# Altium PCB Minion_1_SiC780A_Rev01.PcbDoc (part 3 of 6) (continued)
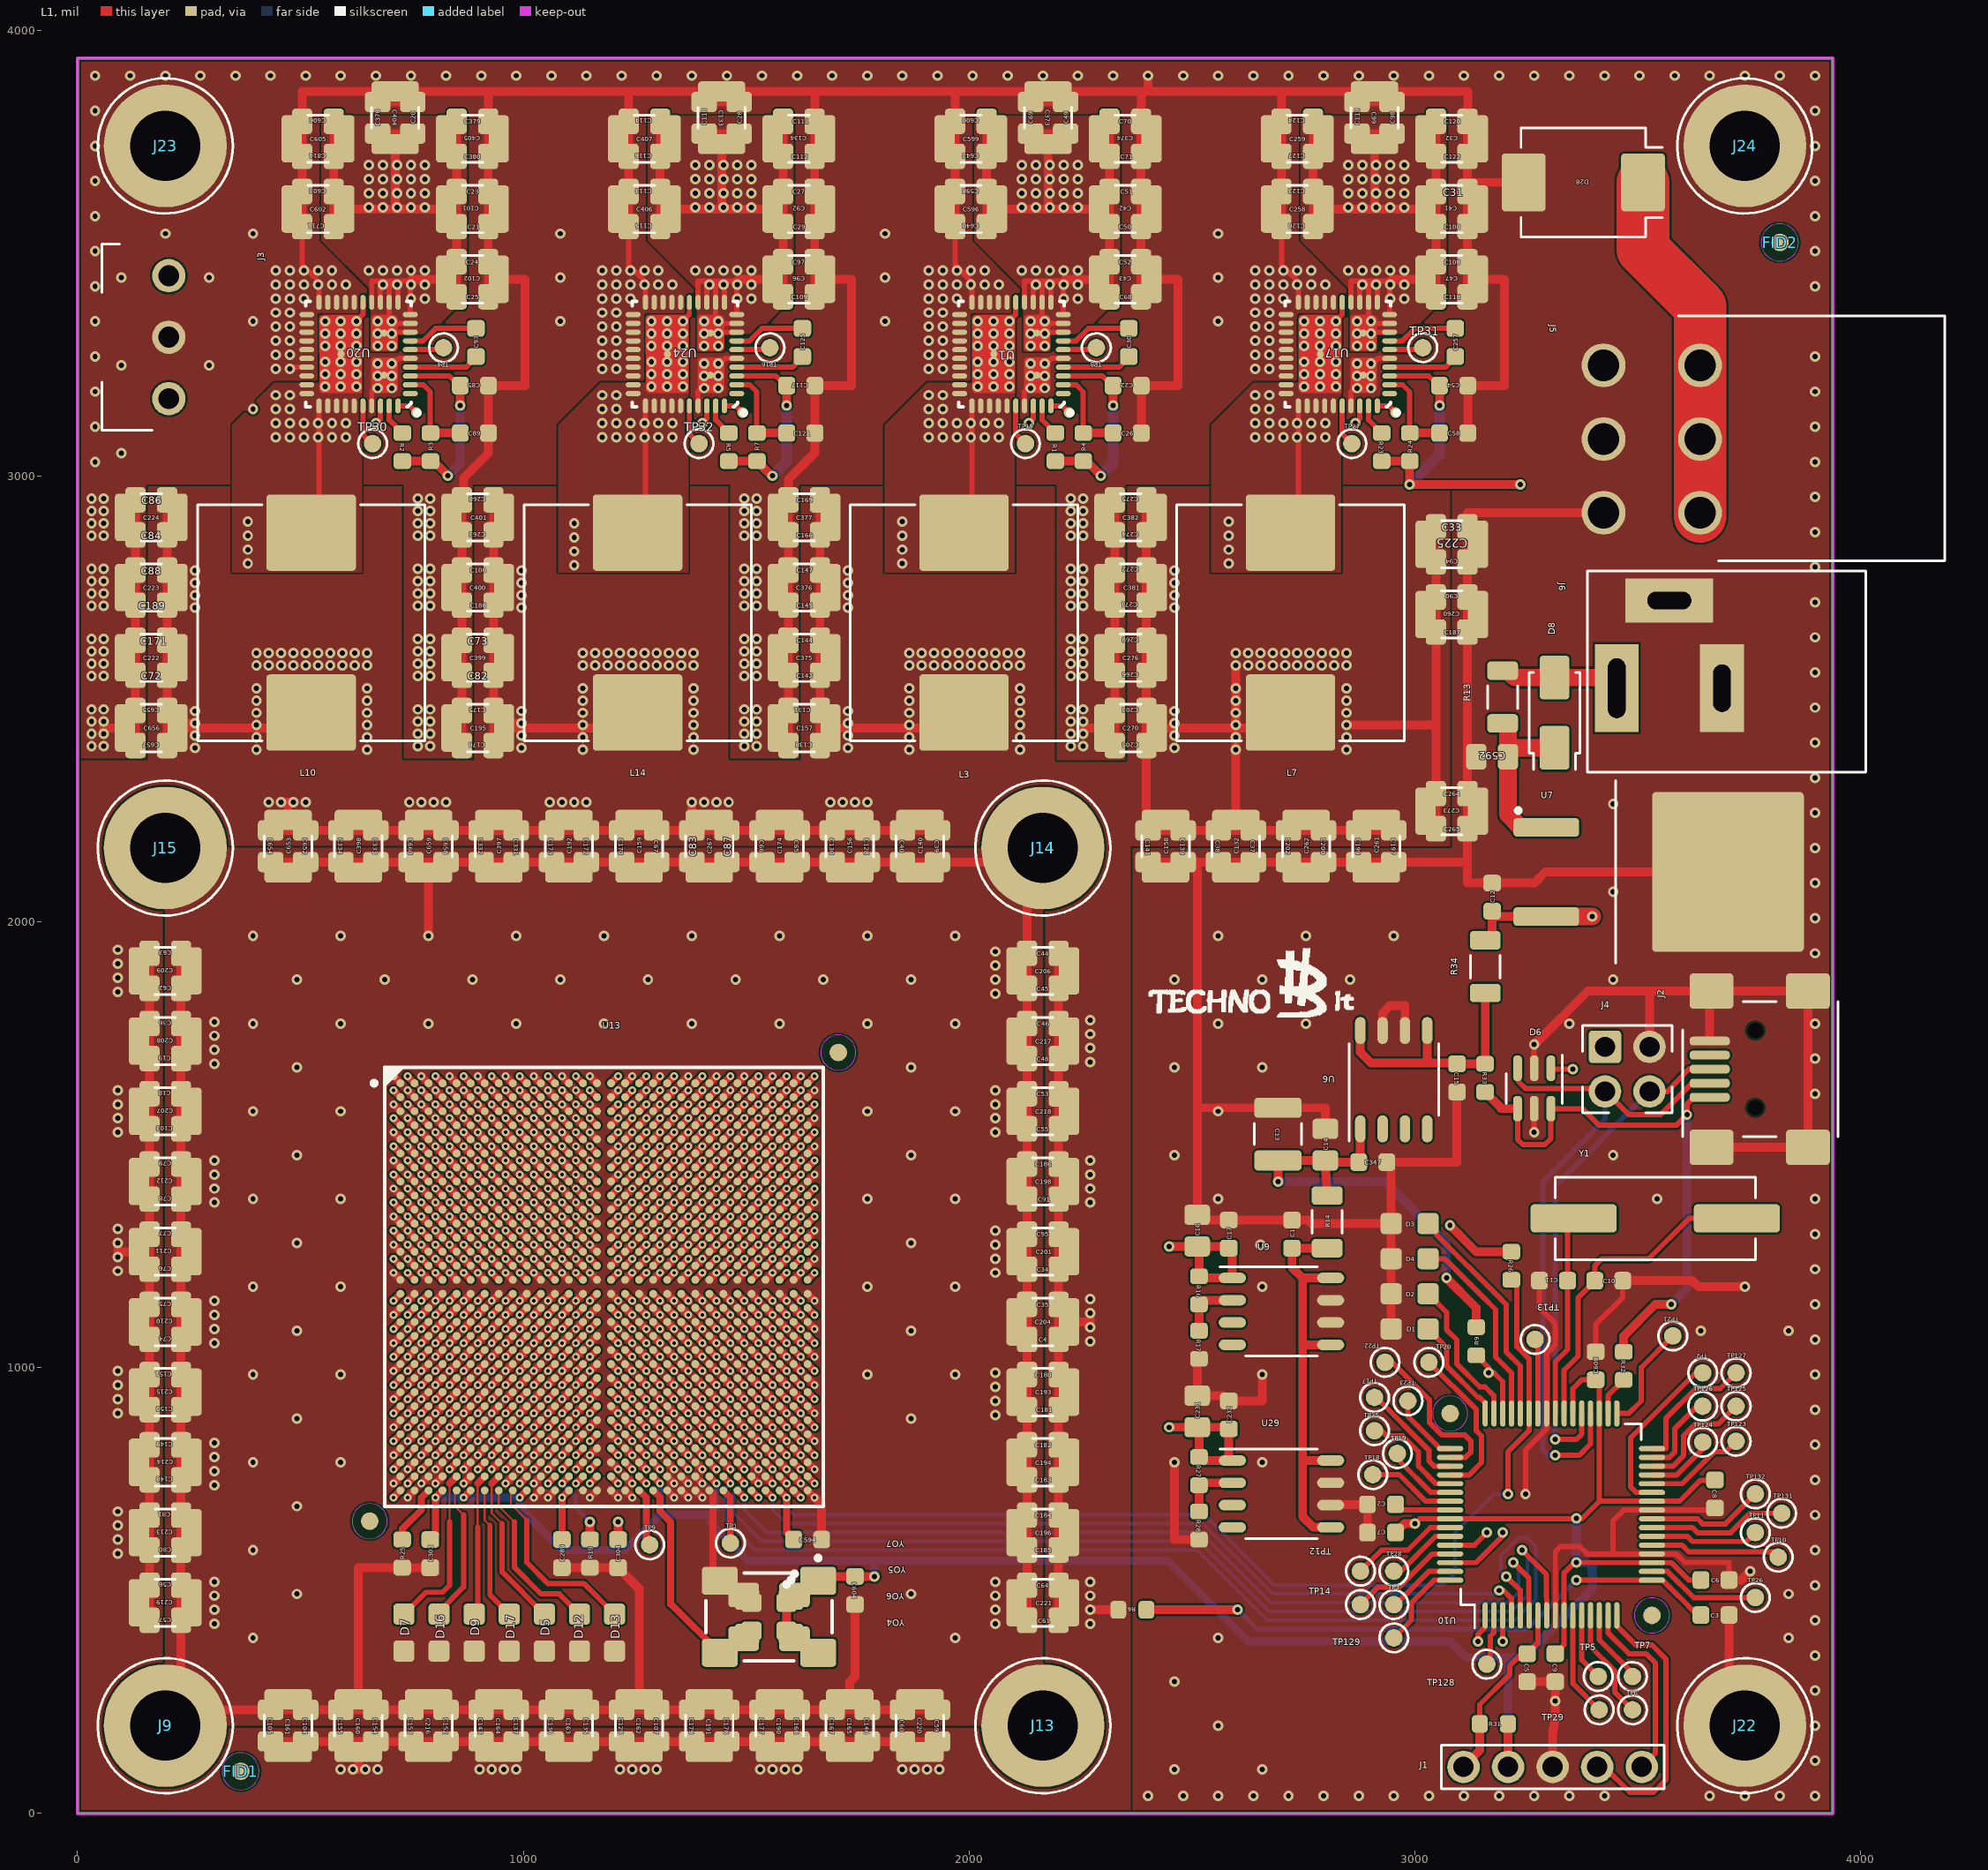
[diagram p0: L1 view]
## Nets (pads, with @x,y where several pads share a name; then routed paths per layer and width w, separated by ;. In a path a pad name is that pad's centre, name@x,y a point inside that pad or via, vN(x,y) a via of type N, cw(c..) or ccw(c..) an arc to the next point about the centre after c; other vN are vias at no path point) (continued)
  L1 w19.68: v1(90.75,1248.03) v1@90.75,1259.84 ; v1(90.75,1279.53) v1@90.75,1259.84 ; C219.2@137.8,472.44 161.42,472.44 ; C213.2@137.8,629.92 161.42,629.92 ; C214.2@137.8,787.4 161.42,787.4 ; C215.2@137.8,944.88 161.42,944.88 ; C210.2@137.8,1102.36 161.42,1102.36 ; C212.2@137.8,1417.32 161.42,1417.32 ; C207.2@137.8,1574.8 161.42,1574.8 ; C208.2@137.8,1732.28 161.42,1732.28 ; C209.2@137.8,1889.76 161.42,1889.76 ; C57.2@161.42,433.07 161.42,472.44 ; C63.2@161.42,1929.13 161.42,1889.76 ; C657.1@200.91,2395.07 200.91,2434.44 ; C86.2@200.91,2946.25 200.91,2906.88 ; C222.2@224.54,2591.92 200.91,2591.92 ; C223.2@224.54,2749.4 200.91,2749.4 ; C224.2@224.54,2906.88 200.91,2906.88 ; v1(263.78,2444.88) 234.98,2444.88 C656.2@224.54,2434.44 ; C105.2@433.07,161.42 472.44,161.42 ; C654.1@433.07,2204.72 472.44,2204.72 ; v1(456.69,2267.72) v1@472.44,2267.72 ; C161.2@472.44,137.8 472.44,161.42 ; v1(484.25,2267.72) v1@472.44,2267.72 ; L10.2@524.07,2469.08 524.07,2434.44 C656.2@224.54,2434.44 ; v1(618.11,98.43) v1@629.92,98.43 ; C398.2@629.92,2228.35 629.92,2204.72 ; v1(645.67,98.43) v1@629.92,98.43 ; C216.2@787.4,137.8 787.4,161.42 ; C659.2@787.4,2228.35 787.4,2204.72 ; C176.1@933.2,2395.07 933.2,2434.44 ; C268.1@933.2,2946.25 933.2,2906.88 ; C164.2@944.88,137.8 944.88,161.42 ; C397.2@944.88,2228.35 944.88,2204.72 ; C399.2@956.82,2591.92 933.2,2591.92 ; C400.2@956.82,2749.4 933.2,2749.4 ; C401.2@956.82,2906.88 933.2,2906.88 ; v1(996.06,2444.88) 967.26,2444.88 C195.2@956.82,2434.44 ; C163.2@1102.36,137.8 1102.36,161.42 ; C192.2@1102.36,2228.35 1102.36,2204.72 ; L14.2@1256.36,2469.08 1256.36,2434.44 C195.2@956.82,2434.44 ; C162.2@1259.84,137.8 1259.84,161.42 ; C159.2@1259.84,2228.35 1259.84,2204.72 ; v1(1377.95,2267.72) C83.2@1377.95,2204.72 ; C191.2@1417.32,137.8 1417.32,161.42 ; C267.2@1417.32,2228.35 1417.32,2204.72 ; C190.2@1574.8,137.8 1574.8,161.42 ; C174.2@1574.8,2228.35 1574.8,2204.72 ; C138.1@1665.48,2395.07 1665.48,2434.44 ; C169.2@1665.48,2946.25 1665.48,2906.88 ; C375.2@1689.1,2591.92 1665.48,2591.92 ; C376.2@1689.1,2749.4 1665.48,2749.4 ; C377.2@1689.1,2906.88 1665.48,2906.88 ; v1(1728.35,2444.88) v1@1728.35,2434.44 ; C165.2@1732.28,137.8 1732.28,161.42 ; C156.2@1732.28,2228.35 1732.28,2204.72 ; C220.2@1889.76,137.8 1889.76,161.42 ; C140.2@1889.76,2228.35 1889.76,2204.72 ; C59.2@1929.13,161.42 1889.76,161.42 ; C39.1@1929.13,2204.72 1889.76,2204.72 ; L3.2@1988.64,2469.08 1988.64,2434.44 v1@1728.35,2434.44 ; C61.2@2200.79,433.07 2200.79,472.44 ; C44.2@2200.79,1929.13 2200.79,1889.76 ; C221.2@2224.41,472.44 2200.79,472.44 ; C196.2@2224.41,629.92 2200.79,629.92 ; C194.2@2224.41,787.4 2200.79,787.4 ; C193.2@2224.41,944.88 2200.79,944.88 ; C201.2@2224.41,1259.84 2200.79,1259.84 ; C198.2@2224.41,1417.32 2200.79,1417.32 ; C218.2@2224.41,1574.8 2200.79,1574.8 ; C217.2@2224.41,1732.28 2200.79,1732.28 ; C206.2@2224.41,1889.76 2200.79,1889.76 ; v1(2271.65,456.69) R6.2@2334.65,456.69 ; v1(2271.85,1090.55) v1@2271.85,1102.36 ; v1(2271.85,1122.05) v1@2271.85,1102.36 ; C275.1@2397.76,2946.25 2397.76,2906.88 ; C276.2@2421.39,2591.92 2397.76,2591.92 ; C381.2@2421.39,2749.4 2397.76,2749.4 ; C382.2@2421.39,2906.88 2397.76,2906.88 ; C158.2@2440.94,2228.26 2440.94,2204.64 ; C132.2@2598.42,2228.26 2598.42,2224.41 2598.42,2204.64 ; C132.2@2598.43,2224.42 v1(2598.43,2385.83) v1(2598.43,2413.39) v1@2598.43,2434.44 ; v1(2598.43,2574.8) v1(2598.43,2523.62) v1(2598.43,2496.06) v1(2598.43,2468.5) v1(2598.43,2440.94) v1@2598.43,2434.44 ; L7.2@2720.92,2469.08 2720.92,2434.44 v1@2598.43,2434.44 ; C262.2@2755.91,2228.35 2755.91,2204.72 ; v1(2846.46,2440.94) 3047.24,2440.94 ; C261.2@2913.39,2228.35 2913.39,2204.72 ; C197.1@2952.76,2204.72 2913.39,2204.72 ; C273.2@3023.62,2248.03 3047.24,2248.03 ; C260.2@3023.62,2688.98 3047.24,2688.98 ; C225.2@3023.62,2846.46 3047.24,2846.46 ; C265.1@3047.24,2208.66 3047.24,2248.03 ; C33.1@3047.24,2885.83 3047.24,2846.46 ; v1@90.75,1259.84 C211.2@137.8,1259.84 161.42,1259.84 ; 161.42,472.44 C56.2@161.42,511.81 C80.2@161.42,590.55 161.42,629.92 ; 161.42,629.92 C81.2@161.42,669.29 C148.2@161.42,748.03 161.42,787.4 ; 161.42,787.4 C149.2@161.42,826.77 C150.2@161.42,905.51 161.42,944.88 ; 161.42,944.88 C151.2@161.42,984.25 C74.2@161.42,1062.99 161.42,1102.36 ; 161.42,1102.36 C75.2@161.42,1141.73 C76.2@161.42,1220.47 161.42,1259.84 ; 161.42,1259.84 C77.2@161.42,1299.21 C78.2@161.42,1377.95 161.42,1417.32 ; 161.42,1417.32 C79.2@161.42,1456.69 C103.2@161.42,1535.43 161.42,1574.8 ; 161.42,1574.8 C18.2@161.42,1614.17 C19.2@161.42,1692.91 161.42,1732.28 ; 161.42,1732.28 C36.2@161.42,1771.65 C62.2@161.42,1850.39 161.42,1889.76 ; 200.91,2434.44 200.91,2591.92 ; 200.91,2434.44 C656.2@224.54,2434.44 ; 200.91,2591.92 C189.2@200.91,2710.03 200.91,2749.4 ; 200.91,2749.4 200.91,2906.88 ; 472.44,161.42 C104.2@511.81,161.42 C155.2@590.55,161.42 629.92,161.42 ; 472.44,2204.72 C652.1@511.81,2204.72 C334.1@590.55,2204.72 629.92,2204.72 ; 472.44,2204.72 C653.2@472.44,2228.35 v1@472.44,2267.72 ; v1@629.92,98.43 C160.2@629.92,137.8 629.92,161.42 ; 629.92,161.42 C154.2@669.29,161.42 C153.2@748.03,161.42 787.4,161.42 ; 629.92,2204.72 C333.1@669.29,2204.72 C660.1@748.03,2204.72 787.4,2204.72 ; 787.4,161.42 C152.2@826.77,161.42 C143.2@905.51,161.42 944.88,161.42 ; 787.4,2204.72 C658.1@826.77,2204.72 C332.1@905.51,2204.72 944.88,2204.72 ; 933.2,2434.44 C175.1@933.2,2473.81 C82.2@933.2,2552.55 933.2,2591.92 ; 933.2,2434.44 C195.2@956.82,2434.44 ; 933.2,2591.92 C73.2@933.2,2631.29 C188.2@933.2,2710.03 933.2,2749.4 ; 933.2,2749.4 C106.2@933.2,2788.77 C263.1@933.2,2867.51 933.2,2906.88 ; 944.88,161.42 C137.2@984.25,161.42 C136.2@1062.99,161.42 1102.36,161.42 ; 944.88,2204.72 C331.1@984.25,2204.72 C173.1@1062.99,2204.72 1102.36,2204.72 ; 1102.36,161.42 C135.2@1141.73,161.42 C129.2@1220.47,161.42 1259.84,161.42 ; 1102.36,2204.72 C172.1@1141.73,2204.72 C170.1@1220.47,2204.72 1259.84,2204.72 ; 1259.84,161.42 C107.2@1299.21,161.42 C179.2@1377.95,161.42 1417.32,161.42 ; 1259.84,2204.72 C67.1@1299.21,2204.72 C83.2@1377.95,2204.72 ; C83.2@1377.95,2204.72 1417.32,2204.72 ; 1417.32,161.42 C178.2@1456.69,161.42 C177.2@1535.43,161.42 1574.8,161.42 ; 1417.32,2204.72 C87.2@1456.69,2204.72 C66.1@1535.43,2204.72 1574.8,2204.72 ; 1574.8,161.42 C168.2@1614.17,161.42 C167.2@1692.91,161.42 1732.28,161.42 ; 1574.8,2204.72 C65.1@1614.17,2204.72 C130.1@1692.91,2204.72 1732.28,2204.72 ; 1665.48,2434.44 C131.1@1665.48,2473.81 C142.2@1665.48,2552.55 1665.48,2591.92 ; 1665.48,2434.44 C157.2@1689.1,2434.44 v1@1728.35,2434.44 ; 1665.48,2591.92 C144.2@1665.48,2631.29 C145.2@1665.48,2710.03 1665.48,2749.4 ; 1665.48,2749.4 C147.2@1665.48,2788.77 C166.2@1665.48,2867.51 1665.48,2906.88 ; 1732.28,161.42 C146.2@1771.65,161.42 C60.2@1850.39,161.42 1889.76,161.42 ; 1732.28,2204.72 C128.1@1771.65,2204.72 C40.1@1850.39,2204.72 1889.76,2204.72 ; 2200.79,472.44 C64.2@2200.79,511.81 C185.2@2200.79,590.55 2200.79,629.92 ; 2200.79,629.92 C184.2@2200.79,669.29 C183.2@2200.79,748.03 2200.79,787.4 ; 2200.79,787.4 C182.2@2200.79,826.77 C181.2@2200.79,905.51 2200.79,944.88 ; 2200.79,944.88 C180.2@2200.79,984.25 C4.2@2200.79,1062.99 2200.79,1102.36 ; 2200.79,1102.36 C35.2@2200.79,1141.73 C34.2@2200.79,1220.47 2200.79,1259.84 ; 2200.79,1102.36 C204.2@2224.41,1102.36 v1@2271.85,1102.36 ; 2200.79,1259.84 C95.2@2200.79,1299.21 C91.2@2200.79,1377.95 2200.79,1417.32 ; 2200.79,1417.32 C186.2@2200.79,1456.69 C55.2@2200.79,1535.43 2200.79,1574.8 ; 2200.79,1574.8 C53.2@2200.79,1614.17 C48.2@2200.79,1692.91 2200.79,1732.28 ; 2200.79,1732.28 C46.2@2200.79,1771.65 C45.2@2200.79,1850.39 2200.79,1889.76 ; 2397.76,2434.44 2397.76,2591.92 ; 2397.76,2434.44 2397.76,2208.44 C141.1@2401.57,2204.64 2440.94,2204.64 ; 2397.76,2434.44 C270.2@2421.39,2434.44 v1@2598.43,2434.44 ; 2397.76,2591.92 2397.76,2749.4 ; 2397.76,2749.4 2397.76,2906.88 ; 2440.94,2204.64 C139.1@2480.31,2204.64 C38.1@2559.05,2204.64 2598.42,2204.64 ; 2598.42,2204.64 C37.1@2637.79,2204.64 2716.45,2204.64 C202.1@2716.54,2204.72 2755.91,2204.72 ; 2755.91,2204.72 C200.1@2795.28,2204.72 C199.1@2874.02,2204.72 2913.39,2204.72 ; 3047.24,2248.03 3047.24,2440.94 ; 3047.24,2440.94 3047.24,2688.98 ; 3047.24,2688.98 3047.24,2846.46
  other v1: 590.55,98.43 673.23,98.43 901.57,98.43 929.13,98.43 956.69,98.43 984.25,98.43 1216.54,98.43 1244.09,98.43 1271.65,98.43 1299.21,98.43 1531.5,98.43 1559.06,98.43 1586.61,98.43 1614.17,98.43 1850.39,98.43 1877.95,98.43 1905.51,98.43 1933.07,98.43 2271.65,425.2 2271.65,488.19 2271.65,519.69 90.55,582.68 90.55,614.17 90.55,645.67 90.55,677.17 90.75,897.64 90.75,929.13 90.75,960.63 90.75,992.13 2271.85,1059.06 2271.85,1153.54 90.75,1216.54 90.75,1311.02 2271.85,1370.08 2271.85,1401.57 2271.85,1433.07 2271.85,1464.57 90.75,1527.56 90.75,1559.06 90.75,1590.55 90.75,1622.05 2271.85,1685.04 2271.85,1716.54 2271.85,1748.03 2271.85,1779.53 90.75,1842.52 90.75,1874.02 90.75,1905.51 90.75,1937.01 429.13,2267.72 511.81,2267.72 744.09,2267.72 771.65,2267.72 799.21,2267.72 826.77,2267.72 1059.06,2267.72 1086.61,2267.72 1114.17,2267.72 1141.73,2267.72 1405.51,2267.72 1433.07,2267.72 1460.63,2267.72 1688.98,2267.72 1716.54,2267.72 1744.09,2267.72 1771.65,2267.72 401.57,2385.83 649.61,2385.83 1133.86,2385.83 1381.89,2385.83 1866.14,2385.83 2114.17,2385.83 2846.46,2385.83 263.78,2389.76 996.06,2389.76 1728.35,2389.76 2460.63,2389.76 401.57,2413.39 649.61,2413.39 1133.86,2413.39 1381.89,2413.39 1866.14,2413.39 2114.17,2413.39 2846.46,2413.39 263.78,2417.32 996.06,2417.32 1728.35,2417.32 2460.63,2417.32 401.57,2440.94 649.61,2440.94 1133.86,2440.94 1381.89,2440.94 1866.14,2440.94 2114.17,2440.94 2460.63,2444.88 401.57,2468.5 649.61,2468.5 1133.86,2468.5 1381.89,2468.5 1866.14,2468.5 2114.17,2468.5 2846.46,2468.5 263.78,2472.44 996.06,2472.44 1728.35,2472.44 2460.63,2472.44 401.57,2496.06 649.61,2496.06 1133.86,2496.06 1381.89,2496.06 1866.14,2496.06 2114.17,2496.06 2846.46,2496.06 401.57,2523.62 649.61,2523.62 1133.86,2523.62 1381.89,2523.62 1866.14,2523.62 2114.17,2523.62 2846.46,2523.62 401.57,2574.8 429.13,2574.8 456.69,2574.8 484.25,2574.8 511.81,2574.8 539.37,2574.8 566.93,2574.8 594.49,2574.8 622.05,2574.8 649.61,2574.8 1133.86,2574.8 1161.42,2574.8 1188.98,2574.8 1216.54,2574.8 1244.09,2574.8 1271.65,2574.8 1299.21,2574.8 1326.77,2574.8 1354.33,2574.8 1381.89,2574.8 1866.14,2574.8 1893.7,2574.8 1921.26,2574.8 1948.82,2574.8 1976.38,2574.8 2003.94,2574.8 2031.5,2574.8 2059.06,2574.8 2086.61,2574.8 2114.17,2574.8 2625.98,2574.8 2653.54,2574.8 2681.1,2574.8 2708.66,2574.8 2736.22,2574.8 2763.78,2574.8 2791.34,2574.8 2818.9,2574.8 2846.46,2574.8 401.57,2602.36 429.13,2602.36 456.69,2602.36 484.25,2602.36 511.81,2602.36 539.37,2602.36 566.93,2602.36 594.49,2602.36 622.05,2602.36 649.61,2602.36 1133.86,2602.36 1161.42,2602.36 1188.98,2602.36 1216.54,2602.36 1244.09,2602.36 1271.65,2602.36 1299.21,2602.36 1326.77,2602.36 1354.33,2602.36 1381.89,2602.36 1866.14,2602.36 1893.7,2602.36 1921.26,2602.36 1948.82,2602.36 1976.38,2602.36 2003.94,2602.36 2031.5,2602.36 2059.06,2602.36 2086.61,2602.36 2114.17,2602.36 2598.43,2602.36 2625.98,2602.36 2653.54,2602.36 2681.1,2602.36 2708.66,2602.36 2736.22,2602.36 2763.78,2602.36 2791.34,2602.36 2818.9,2602.36 2846.46,2602.36 263.78,2704.72 996.06,2704.72 1728.35,2704.72 2460.63,2704.72 263.78,2732.28 996.06,2732.28 1728.35,2732.28 2460.63,2732.28 263.78,2759.84 996.06,2759.84 1728.35,2759.84 2460.63,2759.84 263.78,2787.4 996.06,2787.4 1728.35,2787.4 2460.63,2787.4
3.3V: C6.1 C7.1 C8.1 C9.1 C13.2 C14.1 C303.2 C347.1 C604.1 C608.1 J1.2 R9.2 R14.2 R26.1 R31.2 U6.1 U10.10 U10.19 U10.26 U10.35 U10.38 U10.57 U13.AJ19 U13.AJ23 U13.AK4 U13.AK6 U13.AK10 YO4.1 YO4.4 YO5.1 YO5.4 YO6.1 YO6.4 YO7.1 YO7.4 | length 7871.5
  L1 w11.81: v1(3000,649.61) 3011.14,660.75 v1@3361.54,660.75 ; C9.1@3314.96,358.27 3334.65,377.95 3334.94,377.95 U10.10@3334.94,444.21 3334.94,539.67 3357.6,562.32 3361.54,562.32 v1(3362.2,562.99) 3362.2,562.32 3575.47,562.32 3614.17,523.62 C6.1@3641.73,523.62 ; U10.38@3354.63,896.97 3354.63,952.76 3374.02,972.15 3405.22,972.15 C608.1@3405.51,972.44 3413.68,964.27 U10.35@3413.68,896.97 3413.68,700.12 ; v1(3362.2,661.42) v1@3361.54,660.75 ; C8.1@3673.23,748.03 3672.56,747.36 3641.07,747.36 3593.82,700.12 3413.68,700.12 ; v1@3361.54,660.75 3374.31,660.75 3413.68,700.12
  L1 w15.75: C303.2@791.34,614.17 803.15,625.98 v2(803.15,708.66) U13.AK4@818.9,724.41 ; v2(866.14,708.66) U13.AK6@881.89,724.41 ; v2(992.13,708.66) U13.AK10@1007.87,724.41 ; U13.AJ19@1291.34,755.91 v2(1307.09,740.16) ; U13.AJ23@1417.32,755.91 v2(1433.07,740.16)
  L1 w19.68: YO5.4@1600.39,401.57 YO6.4@1590.55,411.42 ; YO7.4@1661.42,360.24 1627.95,393.7 1610.24,393.7 YO6.4@1608.27,391.73 YO4.4@1590.55,409.45 YO6.4@1590.55,411.42 ; v1(1787.4,531.5) C604.1@1744.09,531.5 1671.26,531.5 YO7.1@1661.42,521.65 1631.89,492.13 1610.24,492.13 YO6.1@1608.27,490.16 1600.39,482.28 YO5.1@1600.39,480.31 1592.52,472.44 YO4.1@1590.55,472.44 YO6.4@1590.55,411.42 ; v1(2692.91,1417.32) C13.2@2692.91,1464.57 C14.1@2799.21,1464.57 C14.1@2799.21,1460.63 ; R14.2@2803.15,1385.83 C14.1@2799.21,1460.63 ; U6.1@2877.76,1535.43 2877.76,1464.37 C347.1@2874.02,1460.63 C14.1@2799.21,1460.63 ; C7.1@2956.69,629.92 2976.38,649.61 v1(3000,649.61) ; v1(3070.87,1200.79) 3137.8,1133.86 R9.2@3137.8,1090.55 ; v1(3078.74,1318.9) 3137.8,1259.84 R26.1@3216.54,1259.84 ; R31.2@3208.66,200.79 3208.66,104.72 J1.2@3209.06,104.33
  L2 w19.68: v1(3078.74,1318.9) 3070.87,1311.02 v1(3070.87,1200.79) 3070.87,952.76 v1(3362.2,661.42)
  L4 w9.84: 1421.26,669.29 1433.07,681.1 v2(1433.07,740.16)
  L4 w11.81: 1307.09,712.6 v2(1307.09,740.16)
  L4 w17.72: v2(803.15,708.66) v2(866.14,708.66) v2(992.13,708.66) 992.13,685.04 1086.61,590.55 1228.35,590.55 1307.09,669.29 ; 1307.09,712.6 1307.09,669.29 ; v1(1787.4,531.5) 1787.4,566.93 ; J1.2@3209.06,104.33 3209.06,345.87 3204.72,350.2 ; 3243.9,350.2 3204.72,350.2 ; 1307.09,669.29 1421.26,669.29 1421.26,649.61 1503.94,566.93 1787.4,566.93 ; 1787.4,566.93 2444.88,566.93 2625.98,385.83 3078.74,385.83 3114.37,350.2 3204.72,350.2
  L4 w19.68: v1(2692.91,1417.32) 2933.07,1417.32 3070.87,1279.53 v1(3070.87,1200.79) ; 3243.9,350.2 3397.64,503.94 3397.64,551.18 3385.83,562.99 v1(3362.2,562.99) v1(3362.2,661.42)
5.0V: C12.1 C22.2 C54.2 C85.2 C117.2 J3.1 R1.2 R2.2 R3.1 R4.1 R5.2 R7.1 R23.2 R24.1 R34.2 U1.3 U7.3 U17.3 U20.3 U24.3 | length 6393.7
  L1 w11.81: U20.3@746.51,3224 833.94,3224 C85.2@857.16,3200.79 ; U24.3@1478.8,3224 1566.22,3224 C117.2@1589.44,3200.79 ; U1.3@2211.08,3224 2298.51,3224 C22.2@2321.72,3200.79 ; U17.3@2943.36,3224 3030.79,3224 C54.2@3054.01,3200.79
  L1 w19.68: R2.2@728.8,3033.06 R3.1@791.79,3033.06 799.21,3033.06 830.71,3001.56 v1(830.71,3000) ; v1(858.27,3157.48) 858.27,3199.68 857.16,3200.79 C85.2@858.72,3202.35 ; R5.2@1461.08,3033.06 R7.1@1524.07,3033.06 1557.13,3000 v1(1559.06,3000) ; v1(1590.55,3157.48) 1590.55,3199.68 1589.44,3200.79 C117.2@1591,3202.35 ; R1.2@2193.36,3033.06 R4.1@2256.36,3033.06 2263.78,3033.06 2295.28,3001.56 v1(2295.28,3000) ; v1(2322.83,3157.48) 2322.83,3199.68 2321.72,3200.79 C22.2@2323.29,3202.35 ; R23.2@2925.65,3033.06 R24.1@2988.64,3033.06 2988.19,3032.61 v1(2988.19,2980.31) v1(3236.22,2980.31) ; v1(3055.12,3157.48) 3055.12,3199.68 3054.01,3200.79 C54.2@3055.57,3202.35 ; R34.2@3157.93,1958.26 3173.43,1958.26 C12.1@3173.43,2023.62 3174.37,2022.67 3174.37,2017.16 3179.72,2011.81 U7.3@3295.11,2011.81 ; U7.3@3294.84,2011.54 U7.3@3295.11,2011.81 ; U7.3@3295.28,2011.81 U7.3@3295.11,2011.81
  L1 w39.37: U7.3@3295.28,2011.81 v1(3397.64,2011.81)
  L3 w23.62: J3.1@204.72,3173.23 204.72,3114.17 318.9,3000 v1(830.71,3000) v1(1559.06,3000) v1(2295.28,3000) 2531.5,3000 2551.18,2980.31 v1(2988.19,2980.31)
  L3 w39.37: v1(3236.22,2980.31) 3236.22,2070.87 3295.28,2011.81 v1(3397.64,2011.81)
  L4 w19.68: v1(830.71,3000) 858.27,3027.56 v1(858.27,3157.48)
  L4 w23.62: v1(1559.06,3000) 1590.55,3031.5 v1(1590.55,3157.48) ; v1(2295.28,3000) 2322.83,3027.56 v1(2322.83,3157.48) ; v1(2988.19,2980.31) 3055.12,3047.24 v1(3055.12,3157.48)